# KiCad board yellow_panda.kicad_pcb (continued)
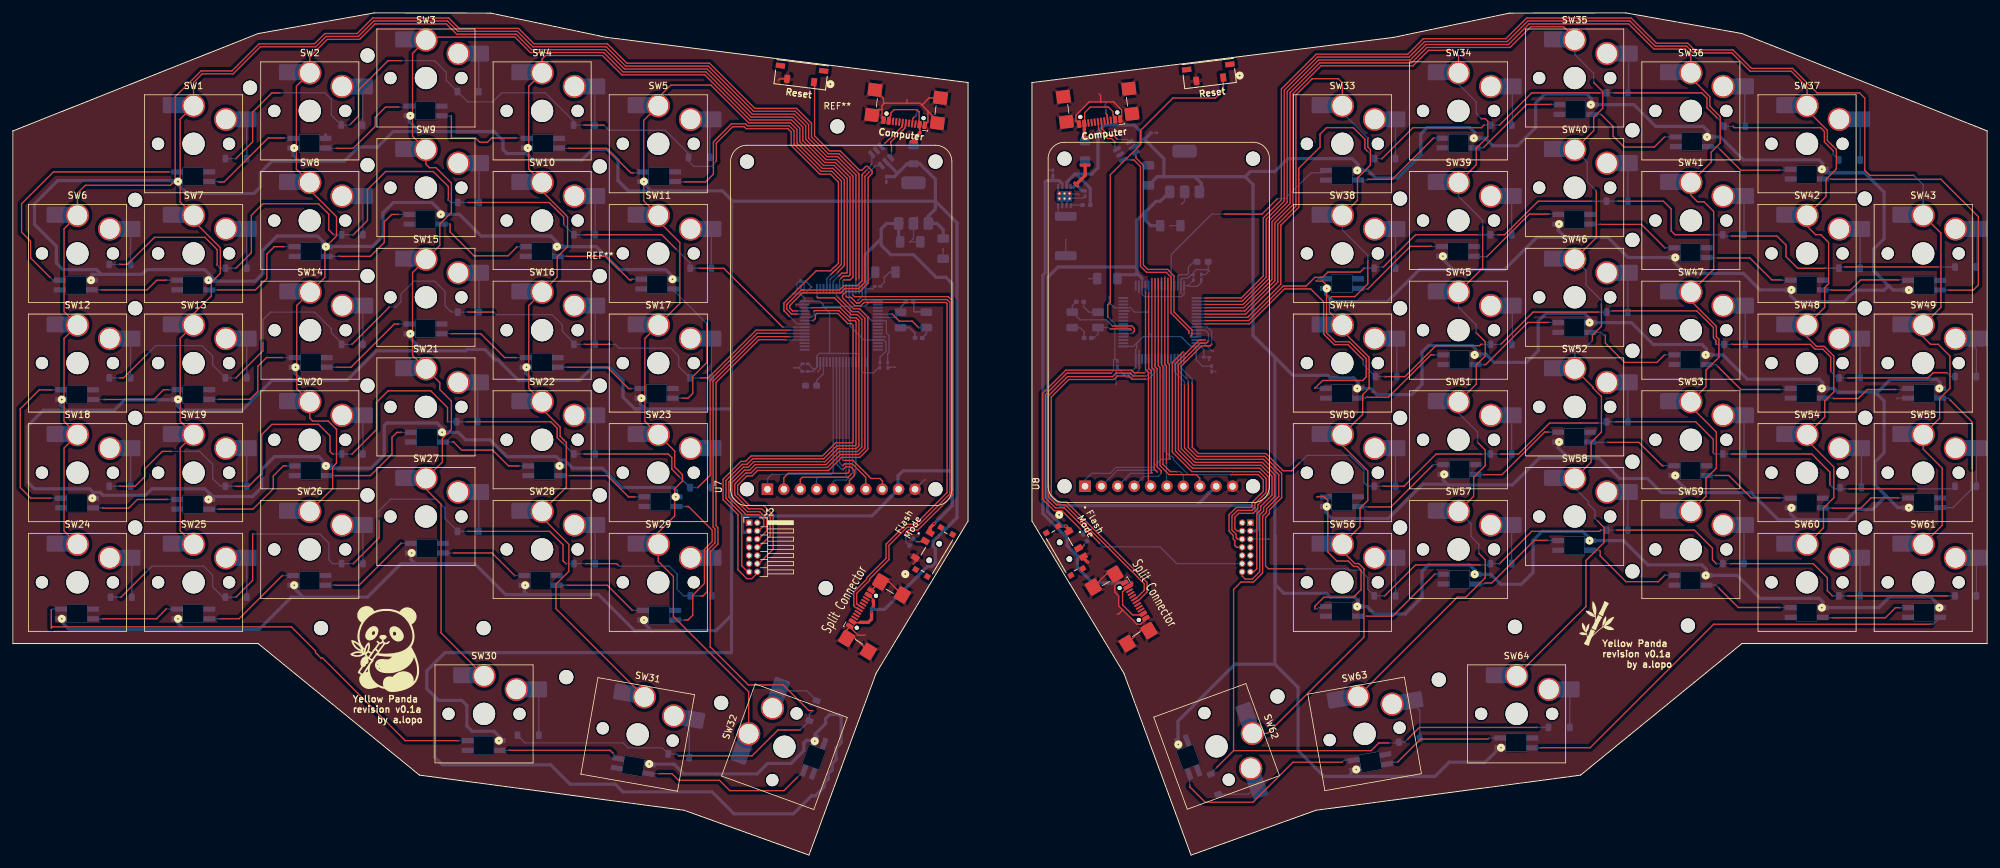
[diagram p0: board, top side]
## Footprints (pads in the part's own frame, mm; a bottom-side part is the same pattern mirrored in y, then rotated) (continued)
  rrect 0.3x1.55 smd: 17(-3.75,-5.675) 18(-3.25,-5.675) 19(-2.75,-5.675) 20(-2.25,-5.675) 21(-1.75,-5.675) 22(-1.25,-5.675) 23(-0.75,-5.675) 24(-0.25,-5.675) 25(0.25,-5.675) 26(0.75,-5.675) 27(1.25,-5.675) 28(1.75,-5.675) 29(2.25,-5.675) 30(2.75,-5.675) 31(3.25,-5.675) 32(3.75,-5.675) 49(3.75,5.675) 50(3.25,5.675) 51(2.75,5.675) 52(2.25,5.675) 53(1.75,5.675) 54(1.25,5.675) 55(0.75,5.675) 56(0.25,5.675) 57(-0.25,5.675) 58(-0.75,5.675) 59(-1.25,5.675) 60(-1.75,5.675) 61(-2.25,5.675) 62(-2.75,5.675) 63(-3.25,5.675) 64(-3.75,5.675)
MODULE_358
  round 2.2 hole 2.2 unplated: (-25.4,14.605) (-25.4,-14.605) (25.4,14.605) (25.4,-14.605)
  rect 1.778x1.778 hole 1.016: 1(-25.4,11.43)
  round 1.778 hole 1.016: 2(-25.4,8.89) 3(-25.4,6.35) 4(-25.4,3.81) 5(-25.4,1.27) 6(-25.4,-1.27) 7(-25.4,-3.81) 8(-25.4,-6.35) 9(-25.4,-8.89) 10(-25.4,-11.43)
MountingHole_2.2mm_M2
  round 2.2 hole 2.2 unplated: (0,0)
PinHeader_2x07_P1.27mm_Horizontal
  rect 1x1 hole 0.65: 1(0,0)
  round 1 hole 0.65: 2(1.27,0) 3(0,-1.27) 4(1.27,-1.27) 5(0,-2.54) 6(1.27,-2.54) 7(0,-3.81) 8(1.27,-3.81) 9(0,-5.08) 10(1.27,-5.08) 11(0,-6.35) 12(1.27,-6.35) 13(0,-7.62) 14(1.27,-7.62)
R_0402_1005Metric_Pad0.72x0.64mm_HandSolder
  rrect 0.715x0.64 smd: 1(-0.598,0) 2(0.598,0)
R_01005_0402Metric_Pad0.57x0.30mm_HandSolder
  rrect 0.41x0.27 smd: (-0.362,0) (0.362,0)
  rrect 0.575x0.3 smd: 1(-0.338,0) 2(0.338,0)
R_2512_6332Metric_Pad1.40x3.35mm_HandSolder
  rrect 1.4x3.35 smd: 1(-3.05,0) 2(3.05,0)
SLW-66527511-SMT-TR_CUD
  round 0.889 hole 0.889 unplated: (-1.5,-0.003) (1.5,-0.003)
  rect 0.889x1.245 smd: 1(-2.25,2.072) 2(0.75,2.072) 3(2.25,2.072)
  rect 0.813x0.889 smd: 4(-3.8,1.047) 5(3.8,1.047) 6(-3.8,-1.053) 7(3.8,-1.053)
SOT-23-6
  rrect 1.325x0.6 smd: 1(-1.137,0.95) 2(-1.137,0) 3(-1.138,-0.95) 4(1.137,-0.95) 5(1.137,0) 6(1.138,0.95)
SOT-23-6#2
  rrect 1.325x0.6 smd: 1(-1.138,0.95) 2(-1.137,0) 3(-1.137,-0.95) 4(1.138,-0.95) 5(1.137,0) 6(1.137,0.95)
SOT-223-3_TabPin2
  rrect 2x1.5 smd: 1(-3.15,2.3) 2(-3.15,0) 3(-3.15,-2.3)
  rrect 2x3.8 smd: 2(3.15,0)
SW_Hotswap_Kailh_Choc_V1_Plated_1.00u
  round 1.9 hole 1.9 unplated: (-5.5,0) (5.5,0)
  rrect 2.55x2.5 smd: (-3.5,6) (8.5,3.8)
  round 3.45 hole 3.45 unplated: (0,0)
  rrect 3.85x2.5 smd far side: 1(-2.85,6) 2(7.85,3.8)
  round 3.6 hole 3.05: 1(0,5.9) 2(5,3.8)
SW_Hotswap_Kailh_Choc_V1_Plated_1.50u
  round 1.9 hole 1.9 unplated: (-5.5,0) (5.5,0)
  rrect 2.55x2.5 smd: (-3.5,6) (8.5,3.8)
  round 3.45 hole 3.45 unplated: (0,0)
  rrect 3.85x2.5 smd far side: 1(-2.85,6) 2(7.85,3.8)
  round 3.6 hole 3.05: 1(0,5.9) 2(5,3.8)
SW_TL3330_EWI
  rect 0.889x1.27 smd: 1(-2.1,0.889) 2(2.1,0.889)
  rect 1.448x0.813 smd: 3(-3.375,-1.016) 4(3.375,-1.016)
unnamed
  round 2.2 hole 2.2 unplated: (0,0)
USB_C_Receptacle_GCT_USB4110
  round 0.65 hole 0.65 unplated: (-2.89,2.605) (2.89,2.605)
  rrect 0.6x1.15 smd: A1(-3.2,3.68) A4(-2.4,3.68) A9(2.4,3.68) A12(3.2,3.68) B1(3.2,3.68) B4(2.4,3.68) B9(-2.4,3.68) B12(-3.2,3.68)
  rrect 0.3x1.15 smd: A5(-1.25,3.68) A6(-0.25,3.68) A7(0.25,3.68) A8(1.25,3.68) B5(1.75,3.68) B6(0.75,3.68) B7(-0.75,3.68) B8(-1.75,3.68)
  rrect 2.18x2 smd: S1(-5.11,3.105) S1(-5.11,-0.825) S1(5.11,3.105) S1(5.11,-0.825)
USB_C_Receptacle_GCT_USB4110#2
  round 0.65 hole 0.65 unplated: (-2.89,2.605) (2.89,2.605)
  rrect 0.6x1.15 smd: A1(-3.2,3.68) A4(-2.4,3.68) A9(2.4,3.68) A12(3.2,3.68) B1(3.2,3.68) B4(2.4,3.68) B9(-2.4,3.68) B12(-3.2,3.68)
  rrect 0.3x1.15 smd: A5(-1.25,3.68) A6(-0.25,3.68) A7(0.25,3.68) A8(1.25,3.68) B5(1.75,3.68) B6(0.75,3.68) B7(-0.75,3.68) B8(-1.75,3.68)
  rrect 2.18x2 smd: S1(-5.11,3.105) S1(-5.11,-0.825) S1(5.11,3.105) S1(5.11,-0.825)
USB_C_Receptacle_GCT_USB4110#3
  round 0.65 hole 0.65 unplated: (-2.89,2.605) (2.89,2.605)
  rrect 0.6x1.15 smd: A1(-3.2,3.68) A4(-2.4,3.68) A9(2.4,3.68) A12(3.2,3.68) B1(3.2,3.68) B4(2.4,3.68) B9(-2.4,3.68) B12(-3.2,3.68)
  rrect 0.3x1.15 smd: A5(-1.25,3.68) A6(-0.25,3.68) A7(0.25,3.68) A8(1.25,3.68) B5(1.75,3.68) B6(0.75,3.68) B7(-0.75,3.68) B8(-1.75,3.68)
  rrect 2.18x2 smd: S1(-5.11,3.105) S1(-5.11,-0.825) S1(5.11,3.105) S1(5.11,-0.825)
USB_C_Receptacle_GCT_USB4110#4
  round 0.65 hole 0.65 unplated: (-2.89,2.605) (2.89,2.605)
  rrect 0.6x1.15 smd: A1(-3.2,3.68) A4(-2.4,3.68) A9(2.4,3.68) A12(3.2,3.68) B1(3.2,3.68) B4(2.4,3.68) B9(-2.4,3.68) B12(-3.2,3.68)
  rrect 0.3x1.15 smd: A5(-1.25,3.68) A6(-0.25,3.68) A7(0.25,3.68) A8(1.25,3.68) B5(1.75,3.68) B6(0.75,3.68) B7(-0.75,3.68) B8(-1.75,3.68)
  rrect 2.18x2 smd: S1(-5.11,3.105) S1(-5.11,-0.825) S1(5.11,3.105) S1(5.11,-0.825)

## Nets
+3.3V: C2.1 C4.1 C5.1 C6.1 C7.1 C8.1 C9.1 C10.1 C13.2 C14.2 C15.2 C16.2 C17.2 C18.2 C29.1 C30.2 J1.3 J2.3 SW65.3 SW66.1 U1.3 U2.3 U3.1 U3.13 U3.19 U3.32 U3.48 U3.64 U4.1 U4.13 U4.19 U4.32 U4.48 U4.64 U7.9 U8.9
+5V: C1.1 C3.1 C23.1 C24.1 D2.1 LED1.1 LED2.1 LED3.1 LED4.1 LED5.1 LED6.1 LED7.1 LED8.1 LED9.1 LED10.1 LED11.1 LED12.1 LED13.1 LED14.1 LED15.1 LED16.1 LED17.1 LED18.1 LED19.1 LED20.1 LED21.1 LED22.1 LED23.1 LED24.1 LED25.1 LED26.1 LED27.1 LED28.1 LED29.1 LED30.1 LED31.1 LED32.1 LED33.1 LED34.1 LED35.1 LED36.1 LED37.1 LED38.1 LED39.1 LED40.1 LED41.1 LED42.1 LED43.1 LED44.1 LED45.1 LED46.1 LED47.1 LED48.1 LED49.1 LED50.1 LED51.1 LED52.1 LED53.1 LED54.1 LED55.1 LED56.1 LED57.1 LED58.1 LED59.1 LED60.1 LED61.1 LED62.1 LED63.1 LED64.1 P3.A4 P3.A9 P3.B4 P3.B9 R6.1 U1.1 U2.1 U5.5 U6.5 U9.7
/VBUSa: D2.2 P1.A4 P1.A9 P1.B4 P1.B9
/VBUSb: D3.2 P2.A4 P2.A9 P2.B4 P2.B9
GND: C1.2 C2.2 C3.2 C4.2 C5.2 C6.2 C7.2 C8.2 C9.2 C10.2 C11.2 C12.2 C13.1 C14.1 C15.1 C16.1 C17.1 C18.1 C19.2 C20.2 C21.1 C22.1 C23.2 C24.2 C25.1 C26.1 C27.1 C28.1 C29.2 C30.1 J1.5 J1.7 J2.5 J2.7 LED1.3 LED2.3 LED3.3 LED4.3 LED5.3 LED6.3 LED7.3 LED8.3 LED9.3 LED10.3 LED11.3 LED12.3 LED13.3 LED14.3 LED15.3 LED16.3 LED17.3 LED18.3 LED19.3 LED20.3 LED21.3 LED22.3 LED23.3 LED24.3 LED25.3 LED26.3 LED27.3 LED28.3 LED29.3 LED30.3 LED31.3 LED32.3 LED33.3 LED34.3 LED35.3 LED36.3 LED37.3 LED38.3 LED39.3 LED40.3 LED41.3 LED42.3 LED43.3 LED44.3 LED45.3 LED46.3 LED47.3 LED48.3 LED49.3 LED50.3 LED51.3 LED52.3 LED53.3 LED54.3 LED55.3 LED56.3 LED57.3 LED58.3 LED59.3 LED60.3 LED61.3 LED62.3 LED63.3 LED64.3 P1.A1 P1.A12 P1.B1 P1.B12 P1.S1 P2.A1 P2.A12 P2.B1 P2.B12 P2.S1 P3.A1 P3.A12 P3.B1 P3.B12 P3.S1 P4.A1 P4.A12 P4.B1 P4.B12 P4.S1 R1.1 R2.1 R5.2 SW65.1 SW66.3 SW67.2 SW68.2 U1.2 U2.2 U3.12 U3.18 U3.31 U3.47 U3.63 U4.12 U4.18 U4.31 U4.47 U4.63 U5.2 U6.2 U7.10 U8.10 U9.2 U9.3 U9.5 U9.9 Y1.2 Y1.4 Y2.2 Y2.4
VBUS MASTER HALF: C27.2 P4.A4 P4.A9 P4.B4 P4.B9 U9.6
VBUS USB: C26.2 D3.1 U9.8
/STM MCUs/BOOT0a: R3.1 U3.60
/STM MCUs/BOOT0b: R4.1 U4.60
/STM MCUs/OSC INa: C11.1 U3.5 Y1.3
/STM MCUs/OSC OUTa: C12.1 U3.6 Y1.1
/STM MCUs/SW_BOOT0a: R3.2 SW65.2
/STM MCUs/SW_BOOT0b: R4.2 SW66.2
COL0a: SW6.1 SW12.1 SW18.1 SW24.1 U3.62
COL0b: SW43.1 SW49.1 SW55.1 SW61.1 U4.33
COL1a: SW1.1 SW7.1 SW13.1 SW19.1 SW25.1 U3.61
COL1b: SW37.1 SW42.1 SW48.1 SW54.1 SW60.1 U4.34
COL2a: SW2.1 SW8.1 SW14.1 SW20.1 SW26.1 U3.57
COL2b: SW36.1 SW41.1 SW47.1 SW53.1 SW59.1 U4.35
COL3a: SW3.1 SW9.1 SW15.1 SW21.1 SW27.1 SW30.1 U3.56
COL3b: SW35.1 SW40.1 SW46.1 SW52.1 SW58.1 SW64.1 U4.36
COL4a: SW4.1 SW10.1 SW16.1 SW22.1 SW28.1 SW31.1 U3.54
COL4b: SW34.1 SW39.1 SW45.1 SW51.1 SW57.1 SW63.1 U4.37
COL5a: SW5.1 SW11.1 SW17.1 SW23.1 SW29.1 SW32.1 U3.53
COL5b: SW33.1 SW38.1 SW44.1 SW50.1 SW56.1 SW62.1 U4.38
CSa: U3.20 U7.5
CSb: U4.20 U8.5
DataCommanda: U3.25 U7.7
DataCommandb: U4.25 U8.7
LCDReseta: U3.24 U7.8
LCDResetb: U4.24 U8.8
LEDsa: LED1.4 U3.52
LEDsb: LED33.4 U4.28
MISOa: U3.22 U7.2
MISOb: U4.22 U8.2
MOSIa: U3.23 U7.4
MOSIb: U4.23 U8.4
OSC INb: C19.1 U4.5 Y2.3
OSC OUTb: C20.1 U4.6 Y2.1
RESETa: C21.2 J2.12 SW67.1 U3.7
RESETb: C22.2 J1.12 SW68.1 U4.7
ROW0a: D6.1 D7.1 D8.1 D9.1 D10.1 U3.41
ROW0b: D38.1 D39.1 D40.1 D41.1 D42.1 U4.39
ROW1a: D11.1 D12.1 D13.1 D14.1 D15.1 D16.1 U3.40
ROW1b: D43.1 D44.1 D45.1 D46.1 D47.1 D48.1 U4.40
ROW2a: D17.1 D18.1 D19.1 D20.1 D21.1 D22.1 U3.39
ROW2b: D49.1 D50.1 D51.1 D52.1 D53.1 D54.1 U4.41
ROW3a: D23.1 D24.1 D25.1 D26.1 D27.1 D28.1 U3.38
ROW3b: D55.1 D56.1 D57.1 D58.1 D59.1 D60.1 U4.50
ROW4a: D29.1 D30.1 D31.1 D32.1 D33.1 D34.1 U3.37
ROW4b: D61.1 D62.1 D63.1 D64.1 D65.1 D66.1 U4.51
ROW5a: D35.1 D36.1 D37.1 U3.36
ROW5b: D67.1 D68.1 D69.1 U4.52
SCKa: U3.21 U7.3
SCKb: U4.21 U8.3
SCLa: P3.A7 U3.58
SCLb: P4.A7 U4.58
ScreenBrighta: U3.27 U7.1
ScreenBrightb: U4.27 U8.1
SDAa: P3.A6 U3.59
SDAb: P4.A6 U4.59
SDCSa: U3.26 U7.6
SDCSb: U4.26 U8.6
SWCLKa: J2.6 U3.49
SWCLKb: J1.6 U4.49
SWDIOa: J2.4 U3.46
SWDIOb: J1.4 U4.46
SWOa: J2.8 U3.55
SWOb: J1.8 U4.55
UART_RXa: J2.13 U3.43
UART_RXb: J1.13 U4.43
UART_TXa: J2.14 U3.42
UART_TXb: J1.14 U4.42
USBDa+: U3.44 U5.1
USBDa-: U3.45 U5.6
USBDb+: U4.44 U6.1
USBDb-: U4.45 U6.6
Net-(D6-A): D6.2 SW1.2
Net-(D7-A): D7.2 SW2.2
Net-(D8-A): D8.2 SW3.2
Net-(D9-A): D9.2 SW4.2
Net-(D10-A): D10.2 SW5.2
Net-(D11-A): D11.2 SW6.2
Net-(D12-A): D12.2 SW7.2
Net-(D13-A): D13.2 SW8.2
Net-(D14-A): D14.2 SW9.2
Net-(D15-A): D15.2 SW10.2
Net-(D16-A): D16.2 SW11.2
Net-(D17-A): D17.2 SW12.2
Net-(D18-A): D18.2 SW13.2
Net-(D19-A): D19.2 SW14.2
Net-(D20-A): D20.2 SW15.2
Net-(D21-A): D21.2 SW16.2
Net-(D22-A): D22.2 SW17.2
Net-(D23-A): D23.2 SW18.2
Net-(D24-A): D24.2 SW19.2
Net-(D25-A): D25.2 SW20.2
Net-(D26-A): D26.2 SW21.2
Net-(D27-A): D27.2 SW22.2
Net-(D28-A): D28.2 SW23.2
Net-(D29-A): D29.2 SW24.2
Net-(D30-A): D30.2 SW25.2
Net-(D31-A): D31.2 SW26.2
Net-(D32-A): D32.2 SW27.2
Net-(D33-A): D33.2 SW28.2
Net-(D34-A): D34.2 SW29.2
Net-(D35-A): D35.2 SW30.2
Net-(D36-A): D36.2 SW31.2
Net-(D37-A): D37.2 SW32.2
Net-(D38-A): D38.2 SW33.2
Net-(D39-A): D39.2 SW34.2
Net-(D40-A): D40.2 SW35.2
Net-(D41-A): D41.2 SW36.2
Net-(D42-A): D42.2 SW37.2
Net-(D43-A): D43.2 SW38.2
Net-(D44-A): D44.2 SW39.2
Net-(D45-A): D45.2 SW40.2
Net-(D46-A): D46.2 SW41.2
Net-(D47-A): D47.2 SW42.2
Net-(D48-A): D48.2 SW43.2
Net-(D49-A): D49.2 SW44.2
Net-(D50-A): D50.2 SW45.2
Net-(D51-A): D51.2 SW46.2
Net-(D52-A): D52.2 SW47.2
Net-(D53-A): D53.2 SW48.2
Net-(D54-A): D54.2 SW49.2
Net-(D55-A): D55.2 SW50.2
Net-(D56-A): D56.2 SW51.2
Net-(D57-A): D57.2 SW52.2
Net-(D58-A): D58.2 SW53.2
Net-(D59-A): D59.2 SW54.2
Net-(D60-A): D60.2 SW55.2
Net-(D61-A): D61.2 SW56.2
Net-(D62-A): D62.2 SW57.2
Net-(D63-A): D63.2 SW58.2
Net-(D64-A): D64.2 SW59.2
Net-(D65-A): D65.2 SW60.2
Net-(D66-A): D66.2 SW61.2
Net-(D67-A): D67.2 SW62.2
Net-(D68-A): D68.2 SW63.2
Net-(D69-A): D69.2 SW64.2
Net-(LED1-DOUT): LED1.2 LED2.4
Net-(LED2-DOUT): LED2.2 LED3.4
Net-(LED3-DOUT): LED3.2 LED4.4
Net-(LED4-DOUT): LED4.2 LED5.4
Net-(LED5-DOUT): LED5.2 LED6.4
Net-(LED6-DOUT): LED6.2 LED7.4
Net-(LED7-DOUT): LED7.2 LED8.4
Net-(LED8-DOUT): LED8.2 LED9.4
Net-(LED10-DIN): LED9.2 LED10.4
Net-(LED10-DOUT): LED10.2 LED11.4
Net-(LED11-DOUT): LED11.2 LED12.4
Net-(LED12-DOUT): LED12.2 LED13.4
Net-(LED13-DOUT): LED13.2 LED14.4
Net-(LED14-DOUT): LED14.2 LED15.4
Net-(LED15-DOUT): LED15.2 LED16.4
Net-(LED16-DOUT): LED16.2 LED17.4
Net-(LED17-DOUT): LED17.2 LED18.4
Net-(LED18-DOUT): LED18.2 LED19.4
Net-(LED19-DOUT): LED19.2 LED20.4
Net-(LED20-DOUT): LED20.2 LED21.4
Net-(LED21-DOUT): LED21.2 LED22.4
Net-(LED22-DOUT): LED22.2 LED23.4
Net-(LED23-DOUT): LED23.2 LED24.4
Net-(LED24-DOUT): LED24.2 LED25.4
Net-(LED25-DOUT): LED25.2 LED26.4
Net-(LED26-DOUT): LED26.2 LED27.4
Net-(LED27-DOUT): LED27.2 LED28.4
Net-(LED28-DOUT): LED28.2 LED29.4
Net-(LED29-DOUT): LED29.2 LED30.4
Net-(LED30-DOUT): LED30.2 LED31.4
Net-(LED31-DOUT): LED31.2 LED32.4
Net-(LED33-DOUT): LED33.2 LED34.4
Net-(LED34-DOUT): LED34.2 LED35.4
Net-(LED35-DOUT): LED35.2 LED36.4
Net-(LED36-DOUT): LED36.2 LED37.4
Net-(LED37-DOUT): LED37.2 LED38.4
Net-(LED38-DOUT): LED38.2 LED44.4
Net-(LED39-DIN): LED39.4 LED40.2
Net-(LED39-DOUT): LED39.2 LED45.4
Net-(LED40-DIN): LED40.4 LED41.2
Net-(LED41-DIN): LED41.4 LED42.2
Net-(LED42-DIN): LED42.4 LED43.2
Net-(LED43-DIN): LED43.4 LED44.2
Net-(LED45-DOUT): LED45.2 LED46.4
Net-(LED46-DOUT): LED46.2 LED47.4
Net-(LED47-DOUT): LED47.2 LED48.4
Net-(LED48-DOUT): LED48.2 LED49.4
Net-(LED49-DOUT): LED49.2 LED50.4
Net-(LED50-DOUT): LED50.2 LED56.4
Net-(LED51-DIN): LED51.4 LED52.2
Net-(LED51-DOUT): LED51.2 LED57.4
Net-(LED52-DIN): LED52.4 LED53.2
Net-(LED53-DIN): LED53.4 LED54.2
Net-(LED54-DIN): LED54.4 LED55.2
Net-(LED55-DIN): LED55.4 LED56.2
Net-(LED57-DOUT): LED57.2 LED58.4
Net-(LED58-DOUT): LED58.2 LED59.4
Net-(LED59-DOUT): LED59.2 LED60.4
Net-(LED60-DOUT): LED60.2 LED61.4
Net-(LED61-DOUT): LED61.2 LED62.4
Net-(LED62-DOUT): LED62.2 LED64.4
Net-(LED63-DIN): LED63.4 LED64.2
Net-(P1-CC): P1.A5 R1.2
Net-(P1-D+): P1.A6 U5.4
Net-(P1-D-): P1.A7 U5.3
Net-(P2-CC): P2.A5 R2.2
Net-(P2-D+): P2.A6 U6.4
Net-(P2-D-): P2.A7 U6.3
Net-(U3-VCAP_1): C25.2 U3.30
Net-(U4-VCAP_1): C28.2 U4.30
Net-(U9-ILIM): R5.1 U9.4
Net-(U9-STAT): R6.2 U9.1

Pads without a net: J1 1 2 9 10 11; J2 1 2 9 10 11; LED32 2; LED63 2; P1 A8 B5 B6 B7 B8; P2 A8 B5 B6 B7 B8; P3 A5 A8 B5 B6 B7 B8; P4 A5 A8 B5 B6 B7 B8; SW65 4 5 6 7; SW66 4 5 6 7; SW67 3 4; SW68 3 4; U3 2 3 4 8 9 10 11 14 15 16 17 28 29 33 34 35 50 51; U4 2 3 4 8 9 10 11 14 15 16 17 29 53 54 56 57 61 62; U9 V

## Via types
v1: diameter 0.25, hole 0.15, Top to Bottom, 398 vias
v2: diameter 0.5, hole 0.3, Top to Bottom, 2 vias

## Routing (per net, layer and track width the routed paths; a pad name or vN(x,y) marks a point on that pad's centre or on a via; arc(x,y) is an arc through that point)
+3.3V: length 346.4
  Top w0.5: SW65.3 142.13,50.79 v2(142.74,51.4) ; v2(163.14,51) 163.62,50.52 SW66.1
  Bottom w0.2: 175.97,86.6 175.34,86.6 174.98,86.97 U4.19 174.98,89.57 ; 175.97,86.6 181.09,86.6 181.48,86.98 181.48,88.31 182.06,88.31 ; 175.97,86.6 175.97,85.2 ; 174.44,90.1 174.34,90 171.74,90 171.94,90 ; C30.2 170.68,84.88 U4.13 173.13,84.88 173.82,84.2 175.77,84.2 175.97,84.4 175.97,85.2 ; 176.54,80.4 181.01,80.4 182.52,78.88 184.06,78.88 184.54,78.4 184.53,78.39 C17.2 ; 176.54,80.4 175.14,80.4 174.14,79.4 ; 176.54,80.4 175.97,80.97 175.97,85.2 ; C8.1 124.04,75.35 124.29,75.35 ; C9.1 123.94,75 124.29,75.35 ; C10.1 133.62,90.17 132.1,88.66 U3.64 ; C14.2 173.98,75.63 U4.64 173.98,78.43 174.14,78.6 174.14,79.4 ; C16.2 184.14,88.81 183.53,88.2 182.17,88.2 182.06,88.31 ; 126.54,77.8 130.84,77.8 131.1,77.54 U3.19 ; 126.54,77.8 126.54,84.1 125.54,85.1 ; 126.54,77.8 124.94,77.8 124.54,77.4 124.54,76.52 U3.32 124.6,75.66 124.29,75.35 ; U3.64 132.1,86.16 132.54,85.72 132.54,85.6 132.04,85.1 ; U3.64 133.19,87.81 C7.1 ; U4.48 183.34,78.82 183.34,76.8 184.33,75.81 C18.2 ; 182.06,88.31 C15.2 ; 132.04,85.1 132.83,85.89 U3.1 ; 132.04,85.1 129.74,85.1 ; 174.14,79.4 173.63,78.88 U4.1 ; 125.54,85.1 125.54,85.4 125.05,85.89 U3.48 122.67,86.38 C5.1 122.04,87.19 C6.1 ; 125.54,85.1 129.74,85.1 ; 129.74,85.1 129.74,82 131.85,79.89 U3.13 134.94,79.89 135.29,79.54 135.29,78.15 134.34,77.2 C29.1
  Bottom w0.5: 134.54,95.6 134.54,94.6 136.04,93.1 139.54,93.1 143.04,89.6 144.54,89.6 145.54,88.6 145.54,59.6 ; 134.54,95.6 132.04,93.1 132.04,88.96 132.15,88.85 ; 134.54,95.6 134.54,97.1 135.39,97.95 137.74,97.95 137.39,97.95 ; 174.14,91.2 161.94,91.2 160.34,89.6 160.34,53.26 162.6,51 v2(163.14,51) ; 174.14,91.2 174.14,98.4 175.54,99.8 ; 174.14,91.2 174.14,90.23 ; 114.07,50.07 113.2,50.07 113.07,50.2 113.07,52.34 113.33,52.6 133.1,52.6 U7.9 ; 137.02,95.1 137.24,95.32 U1.3 ; 174.14,90.23 173.91,90 171.74,90 ; 174.14,90.23 174.98,89.4 ; v2(142.74,51.4) 145.54,54.2 145.54,59.6 ; 160.34,57.2 160.34,56.2 162.34,54.2 183.44,54.2 ; 175.54,99.8 177.13,101.39 177.78,101.39 U2.3 ; 175.54,99.8 175.54,98.4 176.34,97.6 C4.1 ; J1.3 192.61,50.27 192.94,50.6 192.94,53.2 191.94,54.2 183.44,54.2 ; 183.44,54.2 U8.9 ; 145.54,59.6 137.94,59.6 137.14,58.8 137.14,56.6 137.14,56.8
+5V: length 1896.2
  Top w0.2: P3.A4 130.28,36.03 131.2,36.03 131.27,36.1 ; 133.34,39.6 132.6,40.34 P3.A9
  Top w0.5: 131.27,36.1 132.54,36.1 133.04,36.6 v1(133.04,37.6) ; 133.27,39.5 133.34,39.43 v1(133.34,38.6)
  Bottom w0.5: 62.94,112.2 74.54,112.2 75.94,110.8 75.94,109.4 76.54,108.8 79.58,108.8 79.86,108.52 ; 62.94,112.2 61.44,113.7 LED3.1 ; 62.94,112.2 58.92,112.2 56.52,109.8 53.54,109.8 51.34,107.6 44.34,107.6 ; 65.34,24.6 64.14,25.8 64.14,28.6 66.94,31.4 111.34,31.4 111.34,37.2 ; 65.34,24.6 65.94,24 69.54,24 70.34,23.2 70.34,20 71.14,19.2 74.54,19.2 75.44,18.3 LED30.1 ; 65.34,24.6 65.34,15.2 66.54,14 83.34,14 86.34,11 93.34,11 94.54,9.8 108.34,9.8 111.74,6.4 120.94,6.4 123.74,9.2 124.34,9.2 125.74,10.6 125.74,11.2 126.34,11.8 126.34,12.6 126.94,13.2 126.94,14.2 127.54,14.8 127.54,16.6 128.34,17.4 128.34,21.4 127.94,21.8 126.54,21.8 125.94,21.2 125.94,20.4 124.29,18.75 LED32.1 122.95,17.81 122.54,17.4 122.54,16.2 120.54,14.2 116.94,14.2 115.34,12.6 103.94,12.6 102.44,14.1 LED31.1 ; 12.44,56.26 LED18.1 ; 12.44,56.26 13.49,56.26 13.94,55.8 20.54,55.8 21.54,56.8 29.74,56.8 30.34,56.2 ; 12.44,56.26 11.9,56.8 3.34,56.8 2.34,57.8 2.34,66.6 4.74,69 8.18,69 ; v1(133.34,38.6) 133.04,38.3 v1(133.04,38.1) ; 98.94,34.8 108.94,34.8 111.34,37.2 ; 98.94,34.8 97.64,36.1 LED24.1 ; 98.94,34.8 96.34,34.8 90.74,40.4 79.74,40.4 ; 288.54,71.8 282.74,71.8 282.17,72.37 LED48.1 280.44,73.27 279.92,73.8 268.74,73.8 264.97,77.57 LED47.1 262.44,78.47 261.75,79.17 254.17,79.17 250.77,82.57 LED46.1 244.44,83.1 243.54,84 237.54,84 236.34,82.8 236.34,78.2 234.54,76.4 229.54,76.4 228.24,77.7 226.77,77.7 LED45.1 226.64,78.47 226.12,79 219.34,79 218.34,78 218.34,73 216.74,71.4 211.34,71.4 210.37,72.37 LED39.1 208.44,73.27 207.72,74 204.14,74 203.74,74.4 198.34,74.4 195.54,77.2 ; 288.54,71.8 288.94,71.8 290.94,73.8 298.12,73.8 298.64,73.27 LED49.1 ; 288.54,71.8 289.94,70.4 289.94,62.4 288.54,61 288.54,57.4 290.24,55.7 ; 163.34,104.4 164.54,105.6 ; 164.54,105.6 167.14,105.6 168.14,106.6 168.14,112.2 169.14,113.2 173.74,113.2 174.74,112.2 174.74,111 ; 164.54,105.6 164.74,105.6 166.94,103.4 R6.1 ; 259.74,56.2 255.44,56.2 253.24,58.4 248.94,58.4 245.74,61.6 241,61.6 240.77,61.83 ; 259.74,56.2 257.44,58.5 LED55.1 ; 259.74,56.2 269.34,56.2 273.54,52 276.38,52 ; 79.74,40.4 79.24,40.9 LED25.1 ; 79.74,40.4 76.34,40.4 71.54,45.2 62.34,45.2 ; 84.74,61.26 84.2,61.8 76.54,61.8 73.94,64.4 70.14,64.4 68.99,65.55 LED21.1 66.64,66.1 65.74,67 57.94,67 57.54,66.6 57.54,62 55.54,60 48.99,60 LED20.1 48.64,60.56 47.4,61.8 40.54,61.8 38.54,59.8 38.54,57 37.14,55.6 30.94,55.6 30.44,56.1 LED19.1 ; 84.74,61.26 85.49,61.26 86.74,60 91.34,60 94.34,57 102.34,57 102.84,56.5 LED23.1 ; 84.74,61.26 84.74,60.45 LED22.1 ; 62.34,45.2 61.64,45.9 LED26.1 ; 62.34,45.2 60.14,45.2 54.94,40 44.94,40 ; LED1.1 97.64,104.24 98.88,103 ; 240.77,61.83 239.44,63.16 LED54.1 ; 240.77,61.83 240.54,61.6 236.54,61.6 232.34,57.4 222.38,57.4 ; 183.14,105.2 184.14,104.2 184.14,103.15 U2.1 ; 183.14,105.2 178.34,105.2 ; 183.14,105.2 190.94,105.2 ; 48.07,95.13 48.64,94.56 LED8.1 ; 48.07,95.13 47.2,96 40.94,96 38.74,93.8 38.74,90.2 37.54,89 31.5,89 30.44,90.06 ; 48.07,95.13 48.8,94.4 55.74,94.4 57.34,96 57.34,99.6 58.94,101.2 64.94,101.2 66.44,99.7 LED9.1 69.19,99.35 72.54,96 83.34,96 84.44,94.9 LED10.1 90.39,94.35 93.94,90.8 101.14,90.8 102.35,89.6 LED11.1 ; LED2.1 79.64,108.74 79.86,108.52 ; LED28.1 25.44,36.1 26.54,35 ; 63.54,78.2 61.44,80.3 LED14.1 ; 136.94,105.6 138.54,107.2 D2.1 140.54,107.2 142.94,104.8 142.94,100.2 141.84,99.1 U1.1 143.19,97.95 144.14,97 C1.1 ; 136.94,105.6 136.94,105.86 U5.5 ; 136.94,105.6 136.56,105.22 135.34,105.22 ; C3.1 177.3,105.2 178.34,105.2 ; 142.34,98.4 142.34,97.95 142.54,98.15 ; 13.69,90.06 12.94,90.8 7.74,90.8 6.74,91.8 6.74,94.4 3.34,97.8 3.34,101 6.94,104.6 24.94,104.6 26.94,102.6 ; 44.74,73.6 44.74,73.64 43.64,74.74 LED15.1 ; 195.64,49.5 195.54,49.6 195.54,77.2 ; 195.64,49.5 195.64,41.9 196.94,40.6 203.54,40.6 204.14,40 207.9,40 208.44,39.46 LED51.1 209.79,38.55 210.94,37.4 215.74,37.4 218.34,40 218.34,44 219.34,45 225.74,45 226.64,44.1 LED57.1 228.99,43.55 230.54,42 233.74,42 235.54,43.8 235.54,48.8 236.94,50.2 243.22,50.2 244.44,48.98 LED58.1 249.57,48.77 253.34,45 261.72,45 262.44,44.27 LED59.1 267.17,43.37 270.74,39.8 279.92,39.8 280.44,39.27 LED60.1 289.11,38.37 290.74,40 297.22,40 298.64,38.58 LED61.1 ; 195.64,49.5 195.54,49.4 195.54,29.6 ; LED52.1 203.44,53.14 204.38,52.2 213.14,52.2 218.46,57.52 222.26,57.52 222.38,57.4 ; 79.86,108.52 80.58,107.8 88.14,107.8 89.74,109.4 92.14,109.4 93.74,107.8 93.74,104.6 95.34,103 98.88,103 ; LED40.1 203.44,86.96 204.6,85.8 212.94,85.8 217.94,90.8 223.14,90.8 ; 30.44,90.06 LED7.1 ; 30.44,90.06 29.7,90.8 20.74,90.8 20,90.06 12.24,90.06 LED6.1 ; 26.94,102.6 37.34,102.6 38.34,103.6 38.34,105.8 40.14,107.6 44.34,107.6 ; 26.94,102.6 25.44,104.1 LED5.1 ; 96.34,69.2 94.54,71 94.54,73.6 92.54,75.6 89.74,75.6 87.74,73.6 80.58,73.6 ; 96.34,69.2 111.34,69.2 ; 96.34,69.2 97.98,69.2 97.24,69.94 LED12.1 ; 8.18,69 7.44,69.74 LED17.1 ; 8.18,69 15.74,69 17.34,70.6 25.04,70.6 ; 111.34,69.2 111.34,101.6 109.94,103 98.88,103 ; 111.34,69.2 111.34,37.2 ; LED42.1 239.44,96.9 240.54,95.8 ; 190.94,105.2 192.14,104 192.14,80.6 195.54,77.2 ; 190.94,105.2 191.74,106 195.54,106 197.54,108 207.52,108 208.44,107.07 LED33.1 209.97,106.17 211.14,105 214.54,105 218.14,108.6 218.14,111.8 219.14,112.8 225.78,112.8 226.5,112.07 LED34.1 228.17,111.17 229.34,110 233.14,110 235.94,112.8 235.94,116.6 237.34,118 243.92,118 244.64,117.27 LED35.1 251.17,116.37 254.54,113 261.92,113 262.64,112.27 LED36.1 264.57,111.37 268.14,107.8 279.9,107.8 280.44,107.26 LED37.1 280.99,105.8 286.94,105.8 289.94,102.8 289.94,95.6 288.34,94 288.34,90.6 290.64,88.3 ; 222.38,57.4 221.64,58.14 LED53.1 ; 290.24,55.7 292.07,53.87 LED50.1 ; 290.24,55.7 288.14,53.6 285.74,53.6 284.14,52 276.38,52 ; 195.54,29.6 189.34,29.6 180.53,20.79 LED63.1 ; 195.54,29.6 199.14,26 199.14,16.2 203.14,12.2 206.94,12.2 ; LED13.1 79.44,74.74 80.58,73.6 ; 223.14,90.8 221.44,92.5 LED41.1 ; 223.14,90.8 231.14,90.8 236.14,95.8 240.54,95.8 ; v1(133.04,38.1) v1(133.04,37.6) ; v1(133.04,38.1) 135.04,38.1 141.71,44.77 142.37,44.77 142.93,45.32 142.93,47.55 142.58,47.89 142.58,48.68 143.13,49.23 143.17,49.23 146.29,52.35 146.29,98.05 142.94,101.4 111.54,101.4 ; 80.58,73.6 78.34,73.6 75.14,76.8 74.74,76.8 73.14,78.4 70.34,78.4 70.14,78.2 56.34,78.2 51.74,73.6 40.14,73.6 35.54,69 26.2,69 25.44,69.76 LED16.1 ; 206.94,12.2 207.94,13.2 ; 206.94,12.2 220.34,12.2 222.54,14.4 228.14,14.4 230.39,16.65 LED62.1 ; LED56.1 275.44,52.94 276.38,52 ; 178.34,105.2 178.34,108 175.34,111 ; 174.74,111 174.74,110.6 174.13,109.98 173.74,109.98 U6.5 ; 174.74,111 175.34,111 ; 176.33,112 176.33,111.99 175.34,111 ; 44.94,40 43.14,40 38.14,35 26.54,35 ; 44.94,40 43.44,41.5 LED27.1 ; LED38.1 291.37,87.63 291.34,87.6 290.64,88.3 ; 26.54,35 8.74,35 7.44,36.3 LED29.1 ; 240.54,95.8 247.14,95.8 250.27,92.67 LED43.1 257.44,91.9 259.14,90.2 268.14,90.2 270.69,87.65 LED44.1 275.44,86.74 276.38,85.8 283.74,85.8 285.54,87.6 289.94,87.6 290.64,88.3 ; 44.34,107.6 43.44,108.5 LED4.1 ; 163.27,103.6 163.27,104.33
/VBUSa: length 12.7
  Top w0.2: 140.54,112.1 140.54,112.48 140.48,112.54 140.48,113.25 140.42,113.31 140.42,115.26 140.08,115.6 136.54,115.6 136.04,115.1 136.04,114.69 135.72,114.37 135.72,113.84
  Top w0.5: 140.54,112.1 140.54,112 139.94,111.4 v1(139.94,110.6) v1(139.54,110.6) v1(139.14,110.6)
  Bottom w0.5: v1(139.14,110.6) v1(139.94,110.6)
/VBUSb: length 14
  Top w0.2: P2.A4 170.77,114.44 170.45,114.76 170.45,115.29 169.74,116 166.94,116 166.07,115.13 166.07,113.51 P2.A9
  Top w0.5: v1(166.14,111.2) 166.01,111.33 P2.A9 ; v1(166.14,111.2) v1(166.54,111.2) ; v1(166.14,111.2) v1(165.74,111.2)
  Bottom w0.5: 166.14,110.8 v1(166.54,111.2) v1(165.74,111.2) 166.14,110.8 ; 166.14,110.8 D3.2 v1(166.14,111.2)
GND: length 174.1
  Top w0.2: 141.28,113.16 141.78,113.66 141.78,115.37 141.74,115.4 ; 138.54,116.6 135.04,116.6 134.89,116.45 ; 138.54,116.6 v1(138.54,117.1) ; 138.54,116.6 140.54,116.6 140.84,116.3 ; P2.A12 164.72,113.86 164.72,114.74 166.77,116.8 168.54,116.8 ; P1.S1 134.89,117.35 134.89,116.45 ; 129.68,35.38 130.95,34.1 v1(132.04,34.1) ; 129.68,35.38 129.19,34.89 P3.S1 130.53,33.61 P3.S1 ; 129.68,35.38 P3.A1 ; 134.66,115.6 133.94,115.6 133.1,114.76 ; 134.66,115.6 134.66,116.21 134.89,116.45 ; 134.66,115.6 134.66,114.21 134.93,113.94 ; 171.96,38.01 171.34,37.4 v1(171.14,37.4) ; 171.96,38.01 171.34,38.63 171.34,40.2 170.74,40.8 170.74,41.8 171.14,42.2 172.21,42.2 P4.A1 ; 171.96,38.01 174.18,35.79 174.74,35.79 175.54,36.59 P4.A12 ; P3.S1 135.8,42.37 P3.S1 134.32,42.37 P3.A12 ; v1(168.34,118) 168.54,117.8 168.54,116.8 ; 168.54,116.8 v1(169.34,116.8) 170.54,116.8 171.8,115.54 171.8,114.37 P2.A1 ; SW65.1 139.82,45.48 v1(139.5,45.16) ; 141.74,115.4 143.24,113.9 P1.S1 ; 141.74,115.4 140.84,116.3 ; 140.84,116.3 141.96,117.42 P1.S1 ; v1(118.54,120.1) 118.82,120.37 SW67.2 ; P4.S1 174.69,34.82 P4.S1 ; P4.S1 169.43,43.58 P4.S1
  Top w0.5: SW66.3 165.87,46.07 v1(166.54,45.4)
  Bottom w0.2: v1(172.94,84.4) 172.93,84.38 U4.12 ; v1(181.14,101) 181.54,101.4 U2.2 ; C27.1 160.55,106.21 v1(160.54,106.2) ; v1(121.34,85.4) 121.35,85.39 U3.47 ; U4.47 184.53,79.38 185.71,78.2 v1(185.94,78.2) ; C28.1 185.21,90.74 v1(185.34,90.6) ; C9.2 121.75,75.6 v1(121.04,75.6) 121.77,75.6 C8.2 ; v1(185.34,90.6) 185.14,90.8 183.34,90.8 182.94,90.4 C15.1 182.59,90.01 182.02,89.44 181.18,89.44 180.98,89.23 180.98,89.19 ; v1(185.34,90.6) 184.75,90.01 C16.1 ; 162.62,100.8 162.62,101.1 161.84,101.88 161.75,101.88 ; 139.04,95.1 C2.2 ; 139.04,95.1 139.54,95.6 U1.2 ; 139.04,95.1 v1(139,95.1) ; C29.2 134.13,75.59 v1(133.34,74.8) 131.86,74.8 131.6,75.06 U3.18 ; v1(174.48,87.25) U4.18 ; v1(291.94,70.8) 292.01,70.87 LED49.3 ; U3.31 125.1,75.36 v1(124.74,75) ; v1(165.14,102.4) 165.02,102.52 164.13,102.52 ; v1(169.34,116.8) 169.34,116.52 169.28,116.46 R2.1 ; C10.2 135.84,90.4 v1(135.04,89.6) 135.04,88.85 C7.2 ; C5.2 121.28,87.1 121.28,87.39 121.54,87.65 121.59,87.65 121.59,87.69 121.49,87.79 121.49,88.6 121.75,88.86 122.33,88.86 122.59,88.6 122.59,87.79 122.49,87.69 122.49,87.51 122.62,87.39 122.62,87.1 122.74,87.1 v1(123.74,88.1) 122.84,89.01 C6.2 ; Y2.2 165.34,81.8 v1(165.74,81.4) 165.98,81.17 C20.2 ; C19.2 165.91,85.03 v1(166.34,84.6) 166.74,84.2 Y2.4 ; U4.31 v1(180.98,87.2) ; C17.1 v1(185.35,76.8) ; U3.12 135.13,80.39 v1(135.14,80.4) ; 161.75,102.52 161.97,102.74 161.97,103.6 ; C4.2 v1(179.34,97.6) ; C1.2 v1(144.14,94) ; v1(130.94,86.1) 130.94,86.1 131.04,86.1 131.6,86.66 U3.63 ; R5.2 v1(163.14,95.4) ; U7.10 141.24,58.2 v1(141.34,58.2) ; v1(170.94,73) 170.94,74.89 170.99,74.94 170.99,75.64 C22.1 171.14,75.59 C14.1 172.13,74.46 172.54,74.05 173.36,74.05 174.54,75.23 174.54,76.01 174.48,76.08 U4.63 v1(174.48,78.2) ; v1(186.34,74.99) C18.1 ; C21.1 135.81,75.56 135.92,75.67 v1(136.71,75.67) ; J1.5 v1(194.57,49) ; 163.27,100.8 163.27,101.1 164.04,101.88 165.83,101.88 C26.1 ; 140.14,97.47 140.14,99 ; C13.1 v1(166.74,89.4)
  Bottom w0.25: C11.2 139.78,80.93 v1(139.5,81.2) 138.91,81.8 Y1.4 ; Y1.2 141.5,84.24 139.78,84.24 v1(139.74,84.2) 139.61,84.33 139.61,85.7 C12.2
  Bottom w0.5: 102.79,105.8 LED1.3 ; 12.5,72.2 LED17.3 ; 66.5,116.2 LED3.3 ; 30.61,72 LED16.3 ; 48.44,111.7 LED4.3
VBUS MASTER HALF: length 84.6
  Top w0.2: 173.24,42.1 v1(173.34,42.2) 172.7,41.55 P4.A4 171.94,40.83 171.94,38.8 173.5,37.25 174.94,37.25 P4.A9
  Top w0.5: v1(173.34,42.2) 173.34,41.89
  Bottom w0.2: 162.62,104.08 162.62,104.07 162.62,103.6
  Bottom w0.5: 161.14,104.6 162.1,104.6 162.62,104.08 ; 161.14,104.6 161.14,105.39 ; 161.14,104.6 160.14,104.6 159.94,104.4 159.94,90.26 159.59,89.91 159.59,52.95 163.34,49.2 163.34,48 164.94,46.4 164.94,44.6 167.34,42.2 171.1,42.2 171.14,42.24 171.83,42.24 171.87,42.2 v1(173.34,42.2) v1(173.34,41.8)
VBUS USB: length 12.5
  Top w0.5: v1(166.14,107) 166.14,105.4 v1(164.74,104) ; v1(166.14,107) v1(166.74,107) ; v1(166.14,107) v1(165.54,107) ; v1(164.74,104) v1(164.54,104.2) ; v1(164.74,104) v1(164.94,103.8)
  Bottom w0.5: D3.1 165.54,107.2 v1(165.54,107) v1(166.74,107) 166.74,107.2 D3.1 ; D3.1 v1(166.14,107) ; v1(164.74,104) 164.34,103.6 163.94,103.6 ; v1(164.54,104.2) v1(164.94,103.8) 165.73,103.01 166.14,103.01
/STM MCUs/BOOT0a: length 58.9
  Top w0.2: v1(138.34,49.4) 138.34,50 138.74,50.4 140.22,50.4 145.64,55.83 145.64,85.9 144.94,86.6 130.4,86.6 v1(130.17,86.83)
  Bottom w0.2: U3.60 130.1,86.92 130.17,86.85 v1(130.17,86.83) ; v1(138.34,49.4) 138.34,48.6 138.94,48
